# Altium PCB 18 4  第一版.PcbDoc (part 3 of 3)
Units mm, origin at the board's own origin, x right, y up, seen from the top; angles counter-clockwise.
Board outline 322.75 x 95.07 mm, 2 copper layers (Top Layer, Bottom Layer); 287 components, 198 nets, 1010 pads, 292 vias.
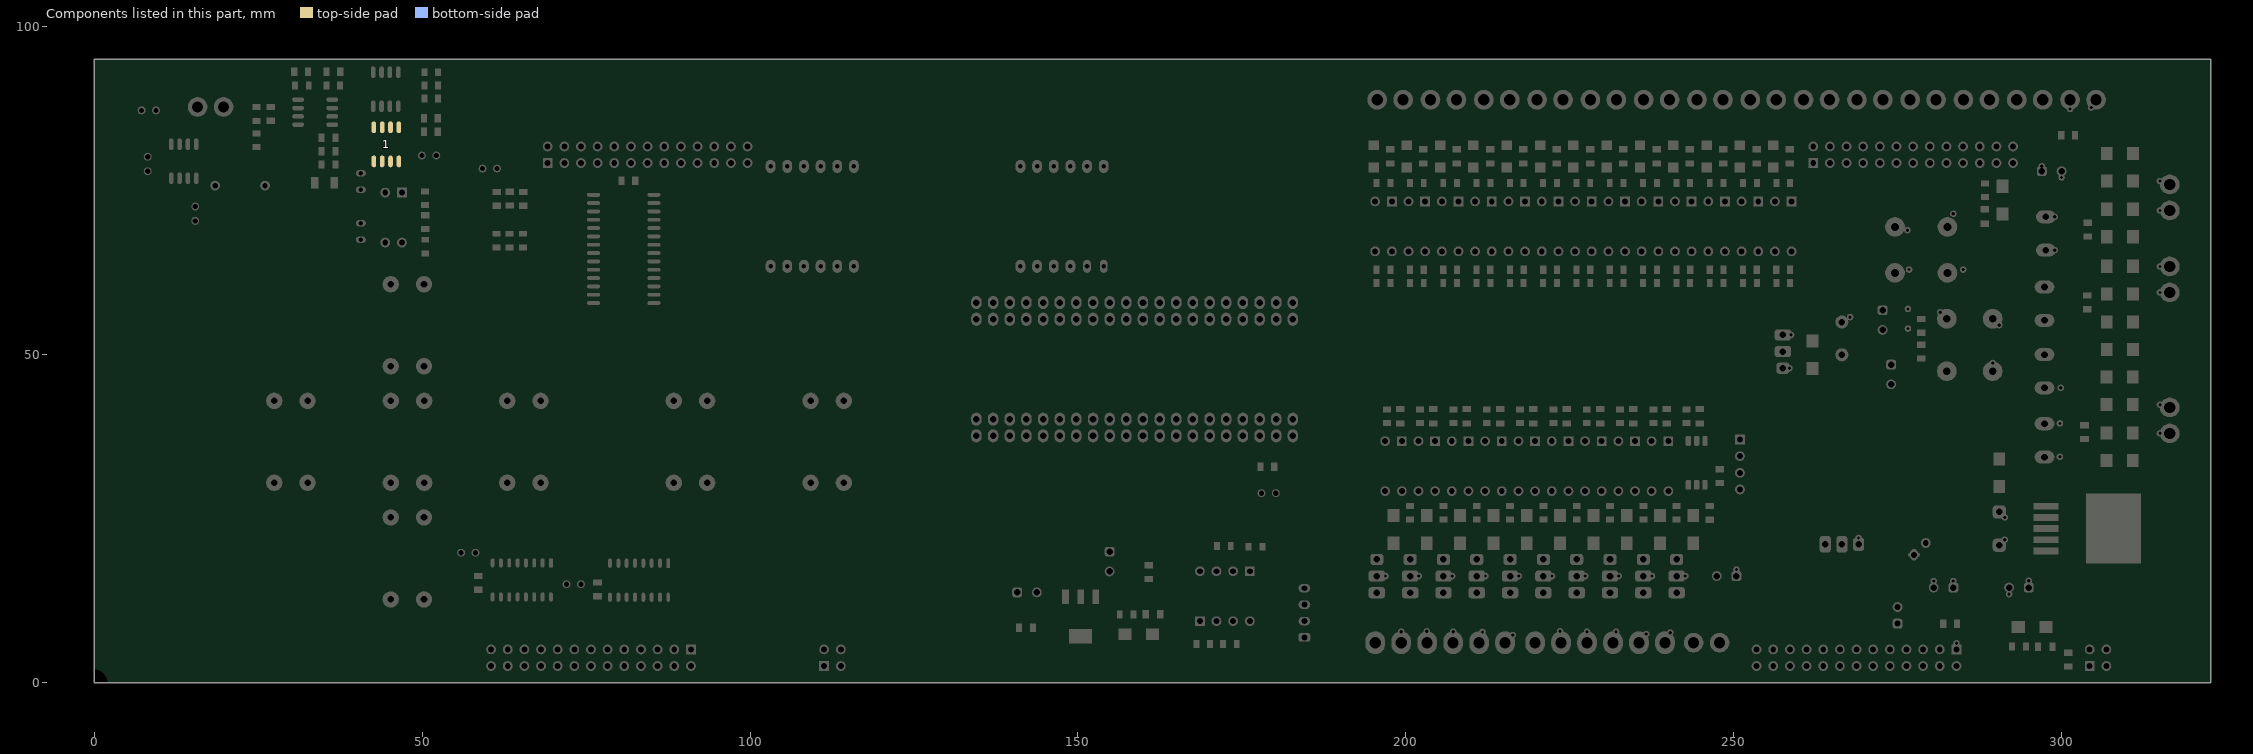
[diagram p3: the components of this part, seen from the top]

## Via types
v1: diameter 1, hole 0.5, Top Layer to Bottom Layer, 155 vias
v2: diameter 3.5, hole 3, Top Layer to Bottom Layer, 43 vias
v3: diameter 1.2, hole 0.6, Top Layer to Bottom Layer, 28 vias
v4: diameter 1.6, hole 1.6, Top Layer to Bottom Layer, 14 vias
v5: diameter 6, hole 3.5, Top Layer to Bottom Layer, 11 vias
v6: diameter 1.25, hole 0.7, Top Layer to Bottom Layer, 11 vias
v7: diameter 1.27, hole 0.711, Top Layer to Bottom Layer, 11 vias
v8: diameter 3.05, hole 3.05, Top Layer to Bottom Layer, 6 vias
v9: diameter 1.2, hole 0.7, Top Layer to Bottom Layer, 4 vias
v10: diameter 1, hole 0.7, Top Layer to Bottom Layer, 4 vias
v11: diameter 1.5, hole 1, Top Layer to Bottom Layer, 2 vias
v12: diameter 1.2, hole 0.8, Top Layer to Bottom Layer, 2 vias
v13: diameter 3, hole 3, Top Layer to Bottom Layer, 1 vias

## Nets (pads, with @x,y where several pads share a name; then routed paths per layer and width w, separated by ;. In a path a pad name is that pad's centre, name@x,y a point inside that pad or via, vN(x,y) a via of type N, cw(c..) or ccw(c..) an arc to the next point about the centre after c; other vN are vias at no path point) (continued)
copper on no net: | length 4353.7
  Top Layer w0.3: 199.136,41.742 205.944,48.55 251.685,48.55 259.792,40.443 259.792,13.89 263.082,10.6 270.832,10.6 276.352,5.08 ; 204.216,41.742 210.324,47.85 251.395,47.85 259.092,40.153 259.092,13.6 262.792,9.9 268.992,9.9 273.812,5.08 ; 209.296,41.742 214.704,47.15 251.105,47.15 258.392,39.863 258.392,13.31 262.502,9.2 267.152,9.2 271.272,5.08 ; 214.376,41.742 219.084,46.45 250.815,46.45 257.692,39.573 257.692,13.02 262.212,8.5 265.312,8.5 268.732,5.08 ; 219.456,41.742 223.464,45.75 250.525,45.75 256.992,39.283 256.992,12.73 261.922,7.8 263.472,7.8 266.192,5.08 ; 224.536,41.742 227.844,45.05 250.235,45.05 256.292,38.993 256.292,12.44 263.652,5.08 ; 229.616,41.742 232.224,44.35 249.945,44.35 255.592,38.703 255.592,10.6 261.112,5.08 ; 234.696,41.742 236.604,43.65 249.655,43.65 254.892,38.413 254.892,8.76 258.572,5.08 ; 239.776,41.742 240.984,42.95 249.365,42.95 254.192,38.123 254.192,6.92 256.032,5.08 ; 244.856,41.742 249.583,41.742 253.492,37.833 253.492,5.08 ; 258.826,65.786 262.128,69.088 262.128,79.248
  Top Layer w0.5: 195.072,81.964 195.072,88.9 195.632,88.9 ; 200.152,81.964 200.152,85.292 203.76,88.9 ; 205.232,81.964 205.232,82.244 211.888,88.9 ; 210.312,81.964 213.873,85.525 216.641,85.525 220.016,88.9 ; 215.392,81.964 218.978,85.55 224.975,85.55 228.144,88.719 228.144,88.9 ; 225.552,81.964 229.638,86.05 241.55,86.05 244.4,88.9 ; 235.712,81.964 235.712,83.012 237.45,84.75 241.9,84.75 243.45,86.3 258.056,86.3 260.656,88.9 ; 240.792,81.964 244.125,85.297 265.181,85.297 268.784,88.9 ; 256.032,81.964 258.093,84.025 267.1,84.025 268.75,85.675 289.943,85.675 293.168,88.9
  Top Layer w0.6: 196.85,36.83 196.85,39.336 197.104,39.59 ; 197.612,79.162 197.612,76.2 197.612,73.66 197.866,73.406 ; 197.646,60.96 197.646,62.992 197.646,65.566 197.866,65.786 ; 199.136,39.538 199.39,39.284 199.39,36.83 ; 199.39,29.21 199.39,28.228 200.66,26.958 ; 201.93,36.83 201.93,39.336 202.184,39.59 ; 202.692,79.162 202.692,76.2 202.692,73.66 202.946,73.406 ; 202.726,60.96 202.726,62.992 202.726,65.566 202.946,65.786 ; 204.216,39.538 204.47,39.284 204.47,36.83 ; 204.47,29.21 204.47,28.228 205.74,26.958 ; 207.01,36.83 207.01,39.336 207.264,39.59 ; 207.772,79.162 207.772,76.2 207.772,73.66 208.026,73.406 ; 207.806,60.96 207.806,62.992 207.806,65.566 208.026,65.786 ; 209.296,39.538 209.55,39.284 209.55,36.83 ; 209.55,29.21 209.55,28.228 210.82,26.958 ; 212.09,36.83 212.09,39.336 212.344,39.59 ; 212.852,79.162 212.852,76.2 212.852,73.66 213.106,73.406 ; 212.886,60.96 212.886,62.992 212.886,65.566 213.106,65.786 ; 214.376,39.538 214.63,39.284 214.63,36.83 ; 214.63,29.21 214.63,28.228 215.9,26.958 ; 217.17,36.83 217.17,39.336 217.424,39.59 ; 217.932,79.162 217.932,76.2 217.932,73.66 218.186,73.406 ; 217.966,60.96 217.966,62.992 217.966,65.566 218.186,65.786 ; 219.456,39.538 219.71,39.284 219.71,36.83 ; 219.71,29.21 219.71,28.228 220.98,26.958 ; 222.25,36.83 222.25,39.336 222.504,39.59 ; 223.012,79.162 223.012,76.2 223.012,73.66 223.266,73.406 ; 223.046,60.96 223.046,62.992 223.046,65.566 223.266,65.786 ; 224.536,39.538 224.79,39.284 224.79,36.83 ; 224.79,29.21 224.79,28.228 226.06,26.958 ; 227.33,36.83 227.33,39.336 227.584,39.59 ; 228.092,79.162 228.092,76.2 228.092,73.66 228.346,73.406 ; 228.126,60.96 228.126,62.992 228.126,65.566 228.346,65.786 ; 229.616,39.538 229.87,39.284 229.87,36.83 ; 229.87,29.21 229.87,28.228 231.14,26.958 ; 232.41,36.83 232.41,39.336 232.664,39.59 ; 233.172,79.162 233.172,76.2 233.172,73.66 233.426,73.406 ; 233.206,60.96 233.206,62.992 233.206,65.566 233.426,65.786 ; 234.696,39.538 234.95,39.284 234.95,36.83 ; 234.95,29.21 234.95,28.228 236.22,26.958 ; 237.49,36.83 237.49,39.336 237.744,39.59 ; 238.252,79.162 238.252,76.2 238.252,73.66 238.506,73.406 ; 238.286,60.96 238.286,62.992 238.286,65.566 238.506,65.786 ; 239.776,39.538 240.03,39.284 240.03,36.83 ; 240.03,29.21 240.03,28.228 241.3,26.958 ; 242.824,39.59 243.078,39.336 243.078,36.878 ; 243.332,79.162 243.332,76.2 243.332,73.66 243.586,73.406 ; 243.366,60.96 243.366,62.992 243.366,65.566 243.586,65.786 ; 244.856,39.538 245.618,38.776 245.618,36.878 ; 245.618,30.178 245.886,30.446 249.97,30.446 250.952,29.464 ; 246.38,26.958 245.988,27.35 243.825,27.35 243.078,28.097 243.078,30.931 244.693,32.546 250.41,32.546 250.952,32.004 ; 248.412,79.162 248.412,76.2 248.412,73.66 248.666,73.406 ; 248.446,60.96 248.446,62.992 248.446,65.566 248.666,65.786 ; 253.492,79.162 253.492,76.2 253.492,73.66 253.746,73.406 ; 253.526,60.96 253.526,62.992 253.526,65.566 253.746,65.786 ; 258.572,79.162 258.572,76.2 258.572,73.66 258.826,73.406 ; 258.606,60.96 258.606,62.992 258.606,65.566 258.826,65.786 ; 294.55,5.5 296.398,5.5
  Top Layer w0.8: 195.072,78.564 195.326,78.31 195.326,76.2 195.326,73.406 ; 195.546,60.96 195.546,60.256 196.977,58.825 ; v1(195.81,41.69) 197.104,41.69 ; 197.612,81.366 v1(197.612,82.417) ; 199.195,58.825 200.626,60.256 200.626,60.96 ; 200.152,78.564 200.406,78.31 200.406,76.2 200.406,73.406 ; v1(200.89,41.69) 202.184,41.69 ; 202.692,81.366 v1(202.692,82.417) ; 204.275,58.825 205.706,60.256 205.706,60.96 ; 205.232,78.564 205.486,78.31 205.486,76.2 205.486,73.406 ; v1(205.97,41.69) 207.264,41.69 ; 207.772,81.366 v1(207.772,82.417) ; 209.355,58.825 210.786,60.256 210.786,60.96 ; 210.312,78.564 210.566,78.31 210.566,76.2 210.566,73.406 ; v1(211.05,41.69) 212.344,41.69 ; 212.852,81.366 v1(212.852,82.417) ; 214.435,58.825 215.866,60.256 215.866,60.96 ; 215.392,78.564 215.646,78.31 215.646,76.2 215.646,73.406 ; v1(216.13,41.69) 217.424,41.69 ; 217.932,81.366 v1(217.932,82.417) ; 219.515,58.825 220.946,60.256 220.946,60.96 ; 220.472,78.564 220.726,78.31 220.726,76.2 220.726,73.406 ; v1(221.21,41.69) 222.504,41.69 ; 223.012,81.366 v1(223.012,82.417) ; 224.595,58.825 226.026,60.256 226.026,60.96 ; 225.552,78.564 225.806,78.31 225.806,76.2 225.806,73.406 ; v1(226.29,41.69) 227.584,41.69 ; 228.092,81.366 v1(228.092,82.417) ; 229.675,58.825 231.106,60.256 231.106,60.96 ; 230.632,78.564 230.886,78.31 230.886,76.2 230.886,73.406 ; v1(231.37,41.69) 232.664,41.69 ; 233.172,81.366 v1(233.172,82.417) ; 234.755,58.825 236.186,60.256 236.186,60.96 ; 235.712,78.564 235.966,78.31 235.966,76.2 235.966,73.406 ; v1(236.45,41.69) 237.744,41.69 ; 238.252,81.366 v1(238.252,82.417) ; 239.835,58.825 241.266,60.256 241.266,60.96 ; 240.792,78.564 241.046,78.31 241.046,76.2 241.046,73.406 ; v1(241.53,41.69) 242.824,41.69 ; 243.332,81.366 v1(243.332,82.417) ; v1(244.348,28.748) 244.348,30.178 ; 244.915,58.825 246.346,60.256 246.346,60.96 ; 245.872,78.564 246.126,78.31 246.126,76.2 246.126,73.406 ; 248.412,81.366 v1(248.412,82.417) ; 249.995,58.825 251.426,60.256 251.426,60.96 ; 250.952,78.564 251.206,78.31 251.206,76.2 251.206,73.406 ; 253.492,81.366 v1(253.492,82.417) ; 255.075,58.825 256.506,60.256 256.506,60.96 ; 256.032,78.564 256.286,78.31 256.286,76.2 256.286,73.406 ; 258.572,81.366 v1(258.572,82.417) ; 288.3,72.202 288.3,74.05
  Top Layer w1: 196.977,58.825 199.195,58.825 204.275,58.825 209.355,58.825 214.435,58.825 219.515,58.825 224.595,58.825 229.675,58.825 234.755,58.825 239.835,58.825 244.915,58.825 249.995,58.825 255.075,58.825 ; 230.632,81.964 v1(230.632,84.047) ; 245.872,81.964 v1(245.872,84.047) ; 250.952,81.964 v1(250.952,84.047) ; 272.275,48.5 272.3,48.475 276.15,48.475 276.875,49.2 276.875,49.45 ; 273.9,57 276.575,57 277.2,57 278.6,55.6 278.6,55.45 279.8,55.45 ; 274,48.5 274.95,49.45 278.6,49.45 278.6,47 ; 282.5,47.5 281.825,48.175 ; 282.5,48.7 282.5,49.45 ; 283.25,48.7 282.5,49.45 ; 284.5,45.9 284.6,45.8 284.6,45 282.1,45 281.825,45.275 281.825,48.175 ; 290.5,20.96 291.34,21.8 299,21.8 ; 290.5,29.9 290.5,26.04 291.34,25.2 299,25.2 ; 296.6,55.5 296.6,56 297,56.4 ; 296.8,39.54 297.09,39.25 303.5,39.25 303.5,45.2 304.9,46.6 306.85,46.6 ; 297.4,60.34 298.69,59.05 299.99,59.05 ; 297.8,56.4 297.8,55.66 ; 299,20.1 303.1,20.1 ; 299,23.5 307.9,23.5 ; 299.75,34.46 302.44,37.15 303.5,37.15 303.5,36.535 ; 299.95,84.325 299.95,85.6 301.296,86.946 301.296,88.9 ; 300,71.04 300.14,70.9 301.6,70.9 302.35,70.15 304,70.15 304,72.5 ; 300.635,65.96 302.575,67.9 306.6,67.9 ; 302.8,30.5 307.9,25.4 307.9,23.5 ; 303,74.1 303,73.266 303.766,72.5 304,72.5 ; 303.3,73.825 304,73.125 304,72.5 ; 303.375,20.1 307.15,20.1 ; 305.9,19.6 309.3,23 ; 306.9,63.5 306.6,63.8 ; 309.3,23.5 307.9,23.5 ; 277.6,53.35 277.15,53.8 272.7,53.8 273.15,53.35 277.6,53.35 ; 277.6,53.35 278.6,53.35 ; 278.6,53.35 278.6,51.55 279.3,51.55 ; 278.6,53.35 279.411,52.539 ; 279.3,51.55 279.3,52.427 279.411,52.539 ; 279.3,51.55 280.35,51.55 280.375,51.575 ; 279.411,52.539 280.375,51.575 ; 279.8,55.45 279.8,55.8 280.6,56.6 ; 279.8,55.45 280.7,55.45 ; 280.375,51.575 281.825,50.125 ; 280.6,56.6 281.4,56.6 281.489,56.511 ; 280.6,56.6 280.689,56.511 ; 280.689,56.511 281.489,56.511 ; 280.689,56.511 280.7,56.5 280.7,55.45 ; 280.7,55.45 281,55.45 ; 281,55.45 281.55,56 282,56 ; 281,55.45 282.45,55.45 282.5,55.5 282,56 ; 281.489,56.511 282,56 ; 281.825,48.175 281.825,50.125 ; 281.825,50.125 282.5,49.45 ; 297,56.4 297.55,56.95 299.09,56.95 ; 297,56.4 297.4,56 297.4,55.26 297.8,55.66 ; 297.8,55.66 299.09,56.95 ; 299.09,56.95 303.9,56.95 303.9,51.6 ; 299.86,60.54 301.35,59.05 ; 299.86,60.54 298.5,60.54 299.99,59.05 ; 299.86,60.54 300.81,60.54 302.3,59.05 ; 299.99,59.05 301.35,59.05 ; 301.35,59.05 302.3,59.05 ; 302.3,59.05 303.9,59.05 303.9,61.7 ; 303.5,36.535 303.5,34.1 303.9,33.7 304.9,33.7 ; 303.5,36.535 304.318,35.718 ; 303.9,51.2 304.3,50.8 304.7,50.8 ; 303.9,51.2 303.9,50.6 304.2,50.3 306.4,50.3 306.9,50.8 304.7,50.8 ; 303.9,51.2 303.9,51.6 ; 303.9,51.6 304.7,50.8 ; 303.9,61.7 305.3,63.1 ; 303.9,61.7 303.9,63.1 ; 303.9,63.1 304.6,63.8 306.6,63.8 ; 303.9,63.1 305.3,63.1 ; 304.318,34.518 304.318,35.718 ; 304.318,34.518 304.2,34.4 304.9,33.7 ; 304.318,34.518 305.135,33.7 ; 304.318,35.718 306.135,33.9 306.85,33.9 306.65,33.7 305.135,33.7 ; 304.9,33.7 305.135,33.7 ; 305.3,63.1 305.9,63.1 306.6,63.8
  Top Layer w1.2: 195.58,16.256 196.901,16.256 ; 197.825,24.975 198.613,24.975 ; 198.12,21.268 198.12,17.475 ; 199.292,6.096 199.292,8.258 198.12,9.43 198.12,15.037 ; 203.2,6.148 203.2,7.825 203.2,17.475 ; 203.2,15.037 201.981,16.256 203.2,17.475 ; 203.2,21.268 203.2,17.475 ; 207.212,6.096 207.212,8.337 208.28,9.405 208.28,17.475 ; 208.28,15.037 207.061,16.256 208.28,17.475 ; 208.28,21.268 208.28,17.475 ; 210.82,16.256 212.141,16.256 ; 211.172,6.096 211.172,7.222 213.36,9.41 213.36,21.268 ; 213.36,15.037 212.141,16.256 ; 213.36,17.475 212.141,16.256 ; 215.132,6.096 218.44,9.404 218.44,21.268 ; 215.9,16.256 217.221,16.256 ; 218.44,15.037 217.221,16.256 ; 218.44,17.475 217.221,16.256 ; 220.472,81.964 v1(220.472,84.072) ; 220.98,16.256 222.301,16.256 ; 223.52,6.096 223.52,21.268 ; 223.52,15.037 222.301,16.256 ; 223.52,17.475 222.301,16.256 ; 226.06,16.256 227.381,16.256 ; 227.636,6.096 227.636,8.461 228.6,9.425 228.6,21.268 ; 228.6,15.037 227.381,16.256 ; 228.6,17.475 227.381,16.256 ; 231.14,16.256 232.461,16.256 ; 231.596,6.096 231.596,7.321 233.68,9.405 233.68,21.268 ; 233.68,15.037 232.461,16.256 ; 233.68,17.475 232.461,16.256 ; 235.556,6.096 235.556,6.306 238.76,9.51 238.76,21.268 ; 236.22,16.256 237.541,16.256 ; 238.76,15.037 237.541,16.256 ; 238.76,17.475 237.541,16.256 ; 239.516,6.096 239.516,6.816 243.84,11.14 243.84,21.268 ; 241.3,16.256 242.621,16.256 ; 243.84,15.037 242.621,16.256 ; 243.84,17.475 242.621,16.256 ; 247.42,6.528 247.852,6.096 ; 196.901,16.256 198.12,17.475 ; 196.901,16.256 198.12,15.037 ; 198.12,15.037 198.12,17.475
  Top Layer w1.3: 262,47.9 262,47.1 ; 262.2,47.86 262.2,46.9 ; 269.04,21.1 269.04,24.7 ; 278.6,47 278.6,43.7 277.6,42.7 266.4,42.7 ; 306.85,38.1 v1(306.85,39.75) ; v1(306.85,40.75) 306.85,42.4 ; 306.9,55 v1(306.9,56.65) v1(306.9,57.65) 306.9,59.3 ; 306.9,72.2 v1(306.9,73.85) ; v1(306.9,74.85) 306.9,76.5 ; 310.85,38.1 310.85,42.4 ; 310.9,55 310.9,59.3 ; 310.9,72.2 310.9,76.5 ; 315.98,76.5 316.5,75.98 ; 316.08,42.4 316.5,41.98 ; 262,32.6 262,47.1 ; 262,32.6 262.95,31.65 ; 262,32.6 262,31.74 269.04,24.7 ; 262,47.1 262.2,46.9 ; 262.2,45.3 263.7,43.8 265.3,43.8 ; 262.2,45.3 262.2,44.6 262.95,43.85 ; 262.2,45.3 262.2,46.9 ; 262.2,46.9 265.3,43.8 ; 262.95,31.65 262.95,43.85 ; 262.95,31.65 269.04,25.56 269.04,24.7 ; 262.95,43.85 264.1,42.7 266.4,42.7 ; 265.3,43.8 266.4,42.7 ; 266.2,49.15 266.15,49.15 266.2,49.2 ; 266.2,49.15 266.45,49.15 266.9,48.7 268.3,48.7 ; 266.2,49.15 266.2,48.3 266.6,47.9 269.9,47.9 270.6,48.6 ; 266.2,49.15 266.2,49.2 ; 266.2,49.2 267,50 ; 266.2,49.2 266.2,49.7 266.5,50 267,50 ; 267,50 271.7,50 ; 267,50 268.3,48.7 ; 268.3,48.7 270.4,48.7 271.7,50 ; 268.3,48.7 268.4,48.6 270.6,48.6 ; 270.6,48.6 273.1,48.6 ; 271.7,50 273.1,48.6 ; 273.1,48.6 273.9,48.6 274,48.5 273.2,48.5 273.1,48.6
  Top Layer w1.5: v1(198.975,56.1) v1(198.975,57.1) 198.975,58.3 ; 253.492,2.54 253.492,5.08 ; 256.032,2.54 256.032,5.08 ; 257.5,47.86 262.2,47.86 ; 257.5,53.04 261.06,53.04 262,52.1 ; 258.572,2.54 258.572,5.08 ; 261.112,2.54 261.112,5.08 ; 262.128,79.248 262.128,81.788 ; 263.652,2.54 263.652,5.08 ; 264.668,79.248 264.668,81.788 ; 266.192,2.54 266.192,5.08 ; 266.5,21.1 266.5,17.6 268.075,16.025 280.5,16.025 ; 267,55 268.05,56.05 270.875,56.05 271.825,57 273.9,57 ; 267.208,79.248 267.208,81.788 ; 268.732,2.54 268.732,5.08 ; 269.748,79.248 269.748,81.788 ; 271.272,2.54 271.272,5.08 ; 272.288,79.248 272.288,81.788 ; 273.812,2.54 273.812,5.08 ; 274.6,69.5 276,69.5 279.4,66.1 285.475,66.1 291.275,71.9 293.807,71.9 296.907,75 298.5,75 300,76.5 300,78 300,78.9 302.05,80.95 302.05,82.275 ; 274.828,79.248 274.828,81.788 ; 275.5,63 276.2,62.3 276.8,62.3 280.1,59 290.64,59 297.6,65.96 ; 276.352,2.54 276.352,5.08 ; 277.368,79.248 277.368,81.788 ; 277.5,19.5 277.5,19.025 280.5,16.025 ; 278.892,2.54 278.892,5.08 278.892,5.392 281.675,8.175 ; 279.908,79.248 279.908,81.788 ; 281.432,2.54 281.432,5.08 ; 281.925,10.25 281.925,11.025 280.5,12.45 280.5,14.5 280.5,15.5 280.5,16.025 ; 282.4,69.9 282.4,72.775 286.025,76.4 295.4,76.4 297,78 297,78.975 299.925,81.9 299.925,82.3 ; 282.448,79.248 282.448,81.788 ; 282.5,48.7 282.5,47.5 ; 283.25,48.7 284.25,47.7 ; 283.5,14.5 284.05,13.95 284.05,10.225 ; 283.5,46.3 282.5,47.3 ; 283.5,46.5 282.5,47.5 ; 283.5,63 289.05,63 297.09,71.04 297.6,71.04 ; 283.972,2.54 283.972,5.08 283.972,7.822 ; 284.5,47.6 284.5,45.9 282.5,45.9 282.4,45.8 282.4,47.2 282.5,47.3 ; 284.988,79.248 284.988,81.788 ; v1@286.85,34.1 290.5,34.1 ; 287.528,79.248 287.528,81.788 ; 290.068,79.248 290.068,81.788 ; 290.5,20.96 290.5,20.025 295,15.525 295,14.5 295,12.3 292.45,9.75 292.45,5.5 292.45,4.05 294,2.5 299.8,2.5 ; 292.608,79.248 292.608,81.788 ; 294.3,44 294.3,44.26 295,44.96 ; 297.4,44.96 296.86,44.96 ; 297.4,50.04 296.5,50.04 ; v1@297.6,11.7 v1(297.6,10.9) v1(297.6,9.9) 297.6,8.5 298.602,7.498 298.602,5.5 299.402,4.7 300,4.7 ; 297.625,55.025 300.9,51.75 300.9,45.975 299.885,44.96 298.5,44.96 ; 297.86,65.96 300.635,65.96 ; 298.5,71.04 300,71.04 300.515,71.04 ; 299.2,27.1 296.15,27.1 293.4,29.85 293.4,37.6 ; 299.75,34.46 297.06,34.46 296.33,33.73 296.33,32.17 298,30.5 302.8,30.5 304.55,30.5 310.125,24.925 310.125,23.9 ; 300.515,39.54 299.75,39.54 296.8,39.54 295.34,39.54 ; 301.8,4.8 302.08,5.08 304.292,5.08 306.832,5.08 ; 302.05,84.725 302.05,85.25 304.511,87.711 305.256,88.456 305.256,88.9 ; 302.16,2.54 304.292,2.54 306.832,2.54 ; 303.3,73.825 303.3,78.875 305.025,80.6 306.8,80.6 306.9,80.7 ; 305.925,80.7 306.9,80.7 ; 306.85,33.9 310.85,33.9 ; 306.85,46.6 310.85,46.6 ; 306.9,50.8 310.9,50.8 ; 306.9,63.5 310.9,63.5 ; 306.9,68 310.9,68 ; 310.9,80.7 306.9,80.7 ; 282.5,47.3 282.5,47.5 ; 289.5,47.5 292.04,44.96 ; 289.5,47.5 288.6,46.6 288.6,45.3 290.4,43.5 295.4,43.5 296.86,44.96 ; 289.5,47.5 289.5,45.6 290.14,44.96 292.04,44.96 ; 292.04,44.96 295,44.96 ; 293.4,37.6 295.34,39.54 ; 293.4,37.6 293.4,39.1 293.84,39.54 295.34,39.54 ; 295,44.96 296.86,44.96 ; 296.5,50.04 291.04,55.5 289.5,55.5 290.48,54.52 294.96,50.04 296.5,50.04
  Top Layer w2: 198.12,25.468 198.613,24.975 198.73,24.858 200.66,24.858 205.74,24.858 210.82,24.858 215.9,24.858 220.98,24.858 226.06,24.858 231.14,24.858 236.22,24.858 241.3,24.858 246.38,24.858 250.42,20.818 250.42,16.256 250.42,8.664 247.852,6.096 ; 243.892,6.096 243.892,7.217 247.42,10.745 247.42,16.256 ; 310.85,42.4 316.08,42.4 ; 310.9,76.6 311,76.5 315.98,76.5 ; 311.02,59.42 311.02,59.52 316.5,59.52
  Top Layer w3: v2@302.014,92.842 cw(c302.014,89.6) 305.256,89.6 ; 305.256,88.9 v2@305.256,93.045
  Bottom Layer w0.3: 197.866,65.786 204.627,59.025 237.095,59.025 239.895,56.225 262.925,56.225 269.175,62.475 269.175,68.215 273.785,72.825 275.335,72.825 276.035,73.525 286.885,73.525 292.608,79.248 ; 202.946,65.786 209.007,59.725 237.385,59.725 240.185,56.925 262.635,56.925 268.475,62.765 268.475,68.505 273.495,73.525 275.045,73.525 275.745,74.225 285.045,74.225 290.068,79.248 ; 208.026,65.786 213.387,60.425 237.675,60.425 240.475,57.625 262.345,57.625 267.775,63.055 267.775,68.795 273.205,74.225 274.755,74.225 275.455,74.925 283.205,74.925 287.528,79.248 ; 213.106,65.786 217.767,61.125 237.965,61.125 240.765,58.325 262.055,58.325 267.075,63.345 267.075,69.085 272.915,74.925 274.465,74.925 275.165,75.625 276.715,75.625 281.365,75.625 284.988,79.248 ; 218.186,65.786 222.147,61.825 238.255,61.825 241.055,59.025 261.765,59.025 266.375,63.635 266.375,69.375 272.625,75.625 274.175,75.625 274.875,76.325 279.525,76.325 282.448,79.248 ; 223.266,65.786 226.527,62.525 238.545,62.525 241.345,59.725 261.475,59.725 265.675,63.925 265.675,69.665 272.335,76.325 273.885,76.325 274.585,77.025 277.685,77.025 279.908,79.248 ; 228.346,65.786 230.907,63.225 238.835,63.225 241.635,60.425 261.185,60.425 264.975,64.215 264.975,69.955 272.045,77.025 273.595,77.025 274.295,77.725 275.845,77.725 277.368,79.248 ; 233.426,65.786 235.287,63.925 239.125,63.925 241.925,61.125 260.885,61.125 264.275,64.515 264.275,70.245 271.755,77.725 273.305,77.725 274.828,79.248 ; 238.506,65.786 242.467,61.825 260.595,61.825 263.575,64.805 263.575,70.535 272.288,79.248 ; 243.586,65.786 246.847,62.525 260.305,62.525 262.875,65.095 262.875,72.375 269.748,79.248 ; 248.666,65.786 251.227,63.225 260.015,63.225 262.175,65.385 262.175,74.215 267.208,79.248 ; 253.746,65.786 255.607,63.925 259.725,63.925 261.475,65.675 261.475,76.055 264.668,79.248
  Bottom Layer w0.5: v1(220.472,84.072) 222.225,85.825 233.275,85.825 236.272,88.822 236.272,88.9 ; v1(230.632,84.047) 238.772,84.047 240.575,85.85 249.478,85.85 252.528,88.9 ; v1(245.872,84.047) 245.872,84.072 249.147,84.072 250.85,85.775 251.025,85.95 273.962,85.95 276.912,88.9 ; v1(250.952,84.047) 250.952,84.072 251.93,85.05 281.19,85.05 285.04,88.9
  Bottom Layer w0.6: 195.58,18.796 196.85,20.066 196.85,29.21 ; 200.66,18.796 201.93,20.066 201.93,29.21 ; 205.74,18.796 207.01,20.066 207.01,29.21 ; 210.82,18.796 212.09,20.066 212.09,29.21 ; 215.9,18.796 217.17,20.066 217.17,29.21 ; 220.98,18.796 222.25,20.066 222.25,29.21 ; 226.06,18.796 227.33,20.066 227.33,29.21 ; 231.14,18.796 232.41,20.066 232.41,29.21 ; 236.22,18.796 237.49,20.066 237.49,29.21 ; 241.3,18.796 244.348,21.844 v1(244.348,28.748) ; 247.42,16.256 247.42,29.92 249.504,32.004 250.952,32.004
  Bottom Layer w0.8: 250.952,34.544 252.006,34.544 253.55,33 253.55,8.7 251.1,6.25 251.1,1.85 252.023,0.927 282.359,0.927 283.972,2.54
  Bottom Layer w1: v1(197.612,82.417) v1(202.692,82.417) v1(207.772,82.417) v1(212.852,82.417) v1(217.932,82.417) v1(223.012,82.417) v1(228.092,82.417) v1(233.172,82.417) v1(238.252,82.417) v1(243.332,82.417) v1(248.412,82.417) v1(253.492,82.417) v1(258.572,82.417) 260.055,83.9 298.225,83.9 301.296,86.971 301.296,88.9
  Bottom Layer w1.3: 257.5,47.96 258.5,47.96 259.1,47.96 ; v1@306.9,56.55 v1(306.9,56.65) v1@306.9,57.55 ; 306.9,72.85 306.9,73.1 ; 315,72.02 316.5,72.02
  Bottom Layer w1.5: v1(195.81,41.69) v1(200.89,41.69) ; v1@196.3,67.575 195.326,66.601 195.326,47.254 v1(200.89,41.69) ; v1(198.975,57.1) v1(198.975,56.1) 198.975,47.25 202.2,44.025 249.8,44.025 258.875,34.95 258.875,15.875 263.21,11.54 277.235,11.54 281.432,7.343 281.432,5.08 281.432,2.54 ; 253.492,2.54 253.492,5.08 ; 256.032,2.54 256.032,5.08 ; 257.5,50.5 260.4,50.5 264.9,55 267,55 ; 257.5,53.04 254.84,53.04 252.625,50.825 252.625,45.775 261.9,36.5 261.9,26.1 264,24 264,21.4 ; 258.572,2.54 258.572,5.08 ; 261.112,2.54 261.112,5.08 ; 262.128,79.248 262.128,81.788 ; 263.652,2.54 263.652,5.08 ; 263.96,21.1 263.96,18.24 265.15,17.05 269.9,17.05 275.5,22.65 277.942,22.65 279.296,21.296 ; 264.668,79.248 264.668,81.788 ; 266.192,2.54 266.192,5.08 ; 266.5,21.1 266.5,26.2 264.9,27.8 264.9,43.3 267.1,45.5 270,45.5 ; 267.208,79.248 267.208,81.788 ; 268.732,2.54 268.732,5.08 ; 269.7,45.5 270,45.5 ; 269.748,79.248 269.748,81.788 ; 271.272,2.54 271.272,5.08 ; 272.288,79.248 272.288,81.788 ; 273.4,57 276.575,57 281,57 281.489,56.511 282.5,55.5 ; 273.812,2.54 273.812,5.08 ; 274.091,45.55 274.041,45.5 ; 274.828,79.248 274.828,81.788 ; 276.352,2.54 276.352,5.08 ; 277.368,79.248 277.368,81.788 ; 278.892,2.54 278.892,5.08 278.892,6.183 276.075,9 261.152,9 256.292,13.86 256.292,33.558 252.766,37.084 250.952,37.084 246.346,41.69 v1(241.53,41.69) v1(236.45,41.69) v1(231.37,41.69) v1(226.29,41.69) v1(221.21,41.69) v1(216.13,41.69) v1(211.05,41.69) v1(205.97,41.69) v1(200.89,41.69) ; 279.387,21.388 283.5,17.275 283.5,14.5 ; 279.908,79.248 279.908,81.788 ; 282.448,79.248 282.448,81.788 ; 283.972,2.54 283.972,5.08 ; 284.988,79.248 284.988,81.788 ; 287.528,79.248 287.528,81.788 ; 290.068,79.248 290.068,81.788 ; 292.608,79.248 292.608,81.788 ; 298.5,50.04 300.59,50.04 302.35,51.8 302.35,58.6 300.41,60.54 298.5,60.54 ; 270,45.5 270,50.8 273.2,54 276.575,54 277.25,54 282.5,48.75 282.5,47.5 282.5,46.1 281.9,45.5 274.041,45.5 ; 270,45.5 274,45.5 274.041,45.5
  Bottom Layer w2.5: 195.6,13.3 210.82,13.3 226.06,13.3 241.3,13.3 244.464,13.3 247.17,16.006
  Bottom Layer w3: v1(306.85,40.75) 309.58,38.02 315,38.02 316.5,38.02 ; 306.9,73.1 307.98,72.02 315,72.02 ; v1(306.9,73.85) v1(306.9,74.85) 306.9,75.5 ; 307.6,56.9 307.6,62.4 308.68,63.48 315,63.48 316.5,63.48
  other v1: 278.892,6.08 297.6,11.9 304.75,16.5 305.75,16.5 306.75,16.5 307.75,16.5 308.75,16.5 309.75,16.5 310.75,16.5 311.75,16.5 312.75,16.5 313.75,16.5 314.75,16.5 304.75,17.5 305.75,17.5 306.75,17.5 307.75,17.5 308.75,17.5 309.75,17.5 310.75,17.5 311.75,17.5 312.75,17.5 314.25,17.5 315.25,17.5 314.25,18.5 315.25,18.5 314.25,19.5 315.25,19.5 314.25,20.5 315.25,20.5 314.25,21.5 315.25,21.5 314.25,22.5 315.25,22.5 314.25,23.5 315.25,23.5 314.25,24.5 315.25,24.5 314.25,25.5 315.25,25.5 314.25,26.5 315.25,26.5 314.25,27.5 315.25,27.5 314.25,28.5 315.25,28.5 304.75,29.5 305.75,29.5 306.75,29.5 307.75,29.5 308.75,29.5 309.75,29.5 310.75,29.5 311.75,29.5 312.75,29.5 313.75,29.5 314.75,29.5 304.75,30.5 305.75,30.5 306.75,30.5 307.75,30.5 308.75,30.5 309.75,30.5 310.75,30.5 311.75,30.5 312.75,30.5 313.75,30.5 314.75,30.5 286.6,34.1 287.6,34.1 288.6,34.1 195.75,67.25 196.5,67.75 195.072,87.525 227.147,87.722 243.292,87.792 218.922,87.806 259.553,87.797 267.683,87.799 202.731,87.871 210.836,87.848 292.118,87.85
  other v2: 195.332,1.896 199.292,1.896 203.252,1.896 207.212,1.896 211.172,1.896 215.132,1.896 219.716,1.896 223.676,1.896 227.636,1.896 231.596,1.896 235.556,1.896 239.516,1.896 244.075,2 15.675,92.25 19.635,92.25 195.632,93.1 199.592,93.1 203.76,93.1 207.72,93.1 211.888,93.1 215.848,93.1 220.016,93.1 223.976,93.1 228.144,93.1 232.104,93.1 236.272,93.1 240.232,93.1 244.4,93.1 248.36,93.1 252.528,93.1 256.488,93.1 260.656,93.1 264.616,93.1 268.784,93.1 272.744,93.1 276.912,93.1 280.872,93.1 285.04,93.1 289,93.1 293.168,93.1 297.128,93.1 301.296,93.1 305.256,93.1
  other v4: 43.227,18.95 52.227,18.95 25.472,36.73 34.472,36.73 43.252,36.73 52.252,36.73 61.007,36.73 70.007,36.73 86.407,36.73 95.407,36.73 107.26,36.73 116.26,36.73 43.227,54.51 52.227,54.51
  other v5: 29.845,18.669 126.34,18.669 319.34,18.669 78.08,37.084 271.08,37.084 126.34,49.784 161.163,49.784 319.34,49.784 319.34,49.784 29.845,54.864 222.845,54.864
  other v8: 320.596,38.203 320.596,42.163 320.596,59.703 320.596,63.663 320.596,72.203 320.596,76.163
  other v13: 248.035,2

## Polygon pours and split planes (outlines as drawn)
no net on Top Layer "Bottom Layer-No Net" (solid, pour order 1006): 199.6,87.4 199.575,87.4 cw(c199.575,88.875) 198.1,88.875 ccw(c196.575,88.875) 196.575,90.4 195.6,90.4 195.54,90.4 cw(c195.54,92.94) 193,92.94 193,93.175 cw(c194.897,93.175) 194.897,95.072 196.25,95.072 296.06,95.072 cw(c296.06,92.532) 298.6,92.532 298.6,89.075 298.6,88.825 cw(c297.175,88.825) 297.175,87.4 297.125,87.4 cw(c297.125,88.9) 295.625,88.9 ccw(c294.125,88.9) 294.125,90.4 293.15,90.4 292.025,90.4 ccw(c292.025,88.875) 290.5,88.875 cw(c289.025,88.875) 289.025,87.4 289,87.4 288.975,87.4 cw(c288.975,88.875) 287.5,88.875 ccw(c285.975,88.875) 285.975,90.4 285.05,90.4 283.9,90.4 ccw(c283.9,88.875) 282.375,88.875 cw(c280.925,88.875) 280.925,87.425 280.875,87.425 280.825,87.425 cw(c280.825,88.875) 279.375,88.875 ccw(c277.85,88.875) 277.85,90.4 276.9,90.4 275.8,90.4 ccw(c275.8,88.85) 274.25,88.85 cw(c272.825,88.85) 272.825,87.425 272.775,87.425 272.675,87.425 cw(c272.675,88.85) 271.25,88.85 ccw(c269.7,88.85) 269.7,90.4 268.75,90.4 267.625,90.4 ccw(c267.625,88.875) 266.1,88.875 cw(c264.625,88.875) 264.625,87.4 264.6,87.4 cw(c264.6,88.875) 263.125,88.875 ccw(c261.575,88.875) 261.575,90.425 260.675,90.425 259.55,90.425 ccw(c259.55,88.875) 258,88.875 cw(c256.525,88.875) 256.525,87.4 256.5,87.4 256.475,87.4 cw(c256.475,88.875) 255,88.875 ccw(c253.475,88.875) 253.475,90.4 252.5,90.4 251.375,90.4 ccw(c251.375,88.9) 249.875,88.9 cw(c248.375,88.9) 248.375,87.4 248.35,87.4 cw(c248.35,88.875) 246.875,88.875 ccw(c245.35,88.875) 245.35,90.4 244.4,90.4 243.225,90.4 ccw(c243.225,88.9) 241.725,88.9 241.725,88.875 cw(c240.25,88.875) 240.25,87.4 240.225,87.4 cw(c240.225,88.9) 238.725,88.9 ccw(c237.225,88.9) 237.225,90.4 236.25,90.4 235.075,90.4 ccw(c235.075,88.925) 233.6,88.925 233.6,88.9 cw(c232.1,88.9) 232.1,87.4 cw(c232.1,88.875) 230.625,88.875 230.625,88.9 ccw(c229.125,88.9) 229.125,90.4 228.15,90.4 227,90.4 ccw(c227,88.875) 225.475,88.875 cw(c224.025,88.875) 224.025,87.425 223.95,87.425 cw(c223.95,88.9) 222.475,88.9 ccw(c220.95,88.9) 220.95,90.425 219.975,90.425 218.9,90.425 ccw(c218.9,88.875) 217.35,88.875 cw(c215.875,88.875) 215.875,87.4 215.8,87.4 cw(c215.8,88.85) 214.35,88.85 214.35,88.925 ccw(c212.85,88.925) 212.85,90.425 211.875,90.425 210.875,90.425 ccw(c210.875,88.775) 209.225,88.775 cw(c207.875,88.775) 207.875,87.425 207.85,87.425 207.675,87.425 cw(c207.675,88.875) 206.225,88.875 ccw(c204.7,88.875) 204.7,90.4 203.725,90.4 202.625,90.4 ccw(c202.625,88.875) 201.1,88.875 cw(c199.625,88.875) 199.625,87.4 199.6,87.4
no net on Top Layer "Bottom Layer-No Net" (solid, pour order 1005): 298.612,88.825 cw(c301.137,88.825) 301.137,91.35 301.3,91.35 305.225,91.35 ccw(c305.225,93.125) 307,93.125 ccw(c305.053,93.125) 305.053,95.072 297.625,95.072 ccw(c297.625,94.247) 296.8,94.247 296.8,88.775 cw(c296.85,88.775) 296.85,88.825 298.612,88.825
no net on Top Layer "Bottom Layer-No Net" (solid, pour order 1004): 196.825,6.225 196.825,6.1 ccw(c199.275,6.1) 199.275,3.65 215.95,3.65 ccw(c215.95,5.925) 218.225,5.925 218.225,6.35 cw(c219.7,6.35) 219.7,7.825 cw(c219.7,6.325) 221.2,6.325 221.2,6.125 221.2,6.1 ccw(c223.65,6.1) 223.65,3.65 239.975,3.65 ccw(c239.975,6.075) 242.4,6.075 242.4,6.125 cw(c243.875,6.125) 243.875,7.6 cw(c243.875,6.075) 245.4,6.075 245.4,6.05 245.4,1.525 cw(c244.125,1.525) 244.125,0.25 195.175,0.25 cw(c195.175,1.825) 193.6,1.825 193.6,6.1 cw(c195.35,6.1) 195.35,7.85 cw(c195.35,6.375) 196.825,6.375 196.825,6.225
no net on Top Layer "Bottom Layer-No Net" (solid, pour order 1003): 256.975,63.5 256.975,62.35 256.4,62.35 256.025,62.35 cw(c256.025,62.825) 255.55,62.825 255.55,65.775 ccw(c254.325,65.775) 254.325,67 253.75,67 253.2,67 ccw(c253.2,65.75) 251.95,65.75 251.95,62.425 cw(c251.875,62.425) 251.875,62.35 250.95,62.35 cw(c250.95,62.85) 250.45,62.85 250.45,65.775 ccw(c249.225,65.775) 249.225,67 248.65,67 248.125,67 ccw(c248.125,65.75) 246.875,65.75 246.875,62.4 cw(c246.825,62.4) 246.825,62.35 245.875,62.35 cw(c245.875,62.85) 245.375,62.85 245.375,65.775 ccw(c244.15,65.775) 244.15,67 243.625,67 243.025,67 ccw(c243.025,65.775) 241.8,65.775 241.8,62.425 cw(c241.725,62.425) 241.725,62.35 240.8,62.35 cw(c240.8,62.85) 240.3,62.85 240.3,65.8 ccw(c239.075,65.8) 239.075,67.025 238.55,67.025 237.975,67.025 ccw(c237.975,65.775) 236.725,65.775 236.725,62.425 cw(c236.65,62.425) 236.65,62.35 235.725,62.35 cw(c235.725,62.875) 235.2,62.875 235.2,65.8 ccw(c233.975,65.8) 233.975,67.025 233.45,67.025 232.875,67.025 ccw(c232.875,65.775) 231.625,65.775 231.625,62.425 cw(c231.55,62.425) 231.55,62.35 230.625,62.35 cw(c230.625,62.85) 230.125,62.85 230.125,65.775 ccw(c228.875,65.775) 228.875,67.025 228.375,67.025 227.8,67.025 ccw(c227.8,65.775) 226.55,65.775 226.55,62.4 cw(c226.5,62.4) 226.5,62.35 225.55,62.35 cw(c225.55,62.825) 225.075,62.825 225.075,65.775 ccw(c223.825,65.775) 223.825,67.025 223.25,67.025 222.725,67.025 ccw(c222.725,65.775) 221.475,65.775 221.475,62.4 cw(c221.425,62.4) 221.425,62.35 220.475,62.35 cw(c220.475,62.85) 219.975,62.85 219.975,65.8 ccw(c218.75,65.8) 218.75,67.025 218.2,67.025 217.65,67.025 ccw(c217.65,65.775) 216.4,65.775 216.4,62.425 cw(c216.325,62.425) 216.325,62.35 215.4,62.35 cw(c215.4,62.85) 214.9,62.85 214.9,65.8 ccw(c213.675,65.8) 213.675,67.025 213.125,67.025 212.55,67.025 ccw(c212.55,65.775) 211.3,65.775 211.3,62.4 cw(c211.25,62.4) 211.25,62.35 210.325,62.35 cw(c210.325,62.85) 209.825,62.85 209.825,65.8 ccw(c208.6,65.8) 208.6,67.025 208.025,67.025 207.475,67.025 ccw(c207.475,65.775) 206.225,65.775 206.225,62.425 cw(c206.15,62.425) 206.15,62.35 205.225,62.35 cw(c205.225,62.825) 204.75,62.825 204.75,65.75 ccw(c203.475,65.75) 203.475,67.025 202.975,67.025 202.4,67.025 ccw(c202.4,65.775) 201.15,65.775 201.15,62.4 cw(c201.1,62.4) 201.1,62.35 200.15,62.35 cw(c200.15,62.85) 199.65,62.85 199.65,65.75 ccw(c198.375,65.75) 198.375,67.025 197.875,67.025 197.35,67.025 ccw(c197.35,65.75) 196.075,65.75 196.075,62.45 cw(c195.975,62.45) 195.975,62.35 195.075,62.35 cw(c195.075,62.85) 194.575,62.85 194.575,65.775 194.575,65.86 cw(c197.115,65.86) 197.115,68.4 220.3,68.4 254.51,68.4 cw(c254.51,65.86) 257.05,65.86 257.05,65.825 257.05,62.45 cw(c256.95,62.45) 256.95,62.35 ccw(c256.95,62.375) 256.975,62.375 256.975,63.5
no net on Bottom Layer "Bottom Layer-No Net" (solid, pour order 1002): 300.925,32.05 320.21,32.05 cw(c320.21,29.51) 322.75,29.51 322.75,26.75 322.75,2.54 cw(c320.21,2.54) 320.21,0 315.3,0 312.265,0 cw(c312.265,2.54) 309.725,2.54 309.725,4.3 309.725,6.835 ccw(c307.185,6.835) 307.185,9.375 304.975,9.375 290.815,9.375 cw(c290.815,11.915) 288.275,11.915 288.275,14.525 288.275,20.535 ccw(c285.735,20.535) 285.735,23.075 284.975,23.075 cw(c284.975,25.25) 282.8,25.25 282.8,32.875 282.8,34.71 cw(c285.34,34.71) 285.34,37.25 289.525,37.25 291.56,37.25 cw(c291.56,34.71) 294.1,34.71 294.1,34.275 ccw(c296.2,34.275) 296.2,32.175 300.45,32.175
no net on Bottom Layer "Bottom Layer-No Net" (solid, pour order 1009): 199.6,87.4 199.575,87.4 cw(c199.575,88.875) 198.1,88.875 ccw(c196.575,88.875) 196.575,90.4 195.6,90.4 195.54,90.4 cw(c195.54,92.94) 193,92.94 193,93.175 cw(c194.897,93.175) 194.897,95.072 196.25,95.072 296.06,95.072 cw(c296.06,92.532) 298.6,92.532 298.6,89.075 298.6,88.825 cw(c297.175,88.825) 297.175,87.4 297.125,87.4 cw(c297.125,88.9) 295.625,88.9 ccw(c294.125,88.9) 294.125,90.4 293.15,90.4 292.025,90.4 ccw(c292.025,88.875) 290.5,88.875 cw(c289.025,88.875) 289.025,87.4 289,87.4 288.975,87.4 cw(c288.975,88.875) 287.5,88.875 ccw(c285.975,88.875) 285.975,90.4 285.05,90.4 283.9,90.4 ccw(c283.9,88.875) 282.375,88.875 cw(c280.925,88.875) 280.925,87.425 280.875,87.425 280.825,87.425 cw(c280.825,88.875) 279.375,88.875 ccw(c277.85,88.875) 277.85,90.4 276.9,90.4 275.8,90.4 ccw(c275.8,88.85) 274.25,88.85 cw(c272.825,88.85) 272.825,87.425 272.775,87.425 272.675,87.425 cw(c272.675,88.85) 271.25,88.85 ccw(c269.7,88.85) 269.7,90.4 268.75,90.4 267.625,90.4 ccw(c267.625,88.875) 266.1,88.875 cw(c264.625,88.875) 264.625,87.4 264.6,87.4 cw(c264.6,88.875) 263.125,88.875 ccw(c261.575,88.875) 261.575,90.425 260.675,90.425 259.55,90.425 ccw(c259.55,88.875) 258,88.875 cw(c256.525,88.875) 256.525,87.4 256.5,87.4 256.475,87.4 cw(c256.475,88.875) 255,88.875 ccw(c253.475,88.875) 253.475,90.4 252.5,90.4 251.375,90.4 ccw(c251.375,88.9) 249.875,88.9 cw(c248.375,88.9) 248.375,87.4 248.35,87.4 cw(c248.35,88.875) 246.875,88.875 ccw(c245.35,88.875) 245.35,90.4 244.4,90.4 243.225,90.4 ccw(c243.225,88.9) 241.725,88.9 241.725,88.875 cw(c240.25,88.875) 240.25,87.4 240.225,87.4 cw(c240.225,88.9) 238.725,88.9 ccw(c237.225,88.9) 237.225,90.4 236.25,90.4 235.075,90.4 ccw(c235.075,88.925) 233.6,88.925 233.6,88.9 cw(c232.1,88.9) 232.1,87.4 cw(c232.1,88.875) 230.625,88.875 230.625,88.9 ccw(c229.125,88.9) 229.125,90.4 228.15,90.4 227,90.4 ccw(c227,88.875) 225.475,88.875 cw(c224.025,88.875) 224.025,87.425 223.95,87.425 cw(c223.95,88.9) 222.475,88.9 ccw(c220.95,88.9) 220.95,90.425 219.975,90.425 218.9,90.425 ccw(c218.9,88.875) 217.35,88.875 cw(c215.875,88.875) 215.875,87.4 215.8,87.4 cw(c215.8,88.85) 214.35,88.85 214.35,88.925 ccw(c212.85,88.925) 212.85,90.425 211.875,90.425 210.875,90.425 ccw(c210.875,88.775) 209.225,88.775 cw(c207.875,88.775) 207.875,87.425 207.85,87.425 207.675,87.425 cw(c207.675,88.875) 206.225,88.875 ccw(c204.7,88.875) 204.7,90.4 203.725,90.4 202.625,90.4 ccw(c202.625,88.875) 201.1,88.875 cw(c199.625,88.875) 199.625,87.4 199.6,87.4
no net on Bottom Layer "Bottom Layer-No Net" (solid, pour order 1008): 298.612,88.825 cw(c301.137,88.825) 301.137,91.35 301.3,91.35 305.225,91.35 ccw(c305.225,93.125) 307,93.125 ccw(c305.053,93.125) 305.053,95.072 297.625,95.072 ccw(c297.625,94.247) 296.8,94.247 296.8,88.775 cw(c296.85,88.775) 296.85,88.825 298.612,88.825
no net on Bottom Layer "Bottom Layer-No Net" (solid, pour order 1007): 196.825,6.225 196.825,6.1 ccw(c199.275,6.1) 199.275,3.65 215.95,3.65 ccw(c215.95,5.925) 218.225,5.925 218.225,6.35 cw(c219.7,6.35) 219.7,7.825 cw(c219.7,6.325) 221.2,6.325 221.2,6.125 221.2,6.1 ccw(c223.65,6.1) 223.65,3.65 239.975,3.65 ccw(c239.975,6.075) 242.4,6.075 242.4,6.125 cw(c243.875,6.125) 243.875,7.6 cw(c243.875,6.075) 245.4,6.075 245.4,6.05 245.4,1.525 cw(c244.125,1.525) 244.125,0.25 195.175,0.25 cw(c195.175,1.825) 193.6,1.825 193.6,6.1 cw(c195.35,6.1) 195.35,7.85 cw(c195.35,6.375) 196.825,6.375 196.825,6.225

## Keep-outs
Keep-Out Layer:
  circle w0.1: c320.596,42.163 r1.55
  circle w0.1: c320.596,38.203 r1.55
  circle w0.1: c320.596,76.163 r1.55
  circle w0.1: c320.596,72.203 r1.55
  circle w0.1: c248.035,2 r1.55
  circle w0.1: c320.596,59.703 r1.55
  circle w0.1: c320.596,63.663 r1.55
  lines w0.254: 0,0 0,95.072 190.017,95.072 193,95.072 322.75,95.072 322.75,0 193,0 190.017,0 0,0

## Other copper
Top Layer:
  rectangle: 304.25,16.125 315.75,31
  rectangle net GND: 180.225,36.65 183.55,41.175
Bottom Layer:
  rectangle net GND: 180.2,36.65 183.55,41.175
  rectangle: 303.15,14.925 315.8,31.625
  rectangle: 314.5,21 316.596,31.1
  rectangle: 285.125,32.6 290.75,35.875
  rectangle: 296.516,9.368 298.8,13.025

## Silkscreen, mask and mechanical layers (free items; w line width, h text height)
Top Overlay:
  rectangle: 247.1,40 251,48.9
  region: 273.641,13.407 273.641,23.157 258.066,23.157 258.066,13.407
  rectangle: 250.75,40 260.5,58.325
  lines w0.1: 29.947,30.48 32.487,30.48 ; 32.487,27.94 32.487,30.48 ; 32.487,33.02 32.487,30.48 ; 35.027,30.48 32.487,30.48 ; 38.018,67.589 40.558,67.589 ; 38.018,75.209 40.558,75.209 ; 40.558,65.049 40.558,67.589 ; 40.558,70.129 40.558,67.589 ; 40.558,72.669 40.558,75.209 ; 40.558,77.749 40.558,75.209 ; 43.098,67.589 40.558,67.589 ; 43.098,75.209 40.558,75.209 ; 47.727,12.7 50.267,12.7 ; 47.727,30.48 50.267,30.48 ; 47.727,48.26 50.267,48.26 ; 50.267,10.16 50.267,12.7 ; 50.267,15.24 50.267,12.7 ; 50.267,27.94 50.267,30.48 ; 50.267,33.02 50.267,30.48 ; 50.267,45.72 50.267,48.26 ; 50.267,50.8 50.267,48.26 ; 52.807,12.7 50.267,12.7 ; 52.807,30.48 50.267,30.48 ; 52.807,48.26 50.267,48.26 ; 65.507,30.48 68.047,30.48 ; 68.047,27.94 68.047,30.48 ; 68.047,33.02 68.047,30.48 ; 70.587,30.48 68.047,30.48 ; 88.367,63.5 168.377,63.5 ; 88.367,78.74 168.377,78.74 ; 90.907,30.48 93.447,30.48 ; 93.447,27.94 93.447,30.48 ; 93.447,33.02 93.447,30.48 ; 95.987,30.48 93.447,30.48 ; 111.862,30.48 114.402,30.48 ; 114.402,27.94 114.402,30.48 ; 114.402,33.02 114.402,30.48 ; 116.942,30.48 114.402,30.48 ; 193,0 322.75,0 322.75,95.072 193,95.072 ; 87.097,62.23 87.097,80.01 169.647,80.01 169.647,62.23 87.097,62.23
  lines w0.2: 249.682,28.194 249.682,27.1 256.1,27.1 256.1,39.4 249.682,39.4 249.682,38.354
  lines w0.254: 190.017,0 190.017,95.072 ; 193,0 193,95.072
  lines w1: 190.017,0 0,0 0,95.072 190.017,95.072
  text "12v" at 298.4,85 h2
  text "9" at 227.6,83.4 h2
  text "7" at 244,83.4 h2
  text "6" at 252,83.4 h2
  text "5" at 260.1,83.4 h2
  text "4" at 268.4,83.4 h2
  text "COM" at 271.3,83.4 h2
  text "3" at 276.5,83.4 h2
  text "COM" at 279.4,83.4 h2
  text "2" at 284.6,83.4 h2
  text "COM" at 287.7,83.4 h2
  text "1" at 292.8,83.4 h2
  text "COM" at 295.7,83.4 h2
  text "COM" at 303.9,83.4 h2
  text "COM" at 263.2,83.358 h2
  text "13/D" at 193.4,83.3 h2
  text "COM" at 198.1,83.3 h2
  text "12/C" at 201.6,83.3 h2
  text "COM" at 206.3,83.3 h2
  text "11/B" at 209.8,83.3 h2
  text "COM" at 214.4,83.3 h2
  text "10/A" at 218,83.3 h2
  text "COM" at 222.6,83.3 h2
  text "COM" at 230.8,83.3 h2
  text "8" at 235.7,83.3 h2
  text "COM" at 238.9,83.3 h2
  text "COM" at 247,83.3 h2
  text "COM" at 255.1,83.3 h2
  text "1" at 262.8,80.3 h2 r90
  text "2" at 265.4,80.1 h2 r90
  text "3" at 267.9,80.1 h2 r90
  text "5" at 273,80.1 h2 r90
  text "6" at 275.6,80.1 h2 r90
  text "7" at 278.1,80.1 h2 r90
  text "8" at 280.6,80.1 h2 r90
  text "9" at 283.2,80.1 h2 r90
  text "B" at 288.2,80.1 h2 r90
  text "C" at 290.8,80.1 h2 r90
  text "D" at 293.3,80.1 h2 r90
  text "4" at 270.5,80 h2 r90
  text "A" at 285.7,80 h2 r90
  text "XD_ZCJ_DN001" at 261.7,26.5 h3
  text "1" at 200,10.2 h2 r90
  text "2" at 203.9,10.1 h2 r90
  text "3" at 207.9,10.1 h2 r90
  text "4" at 211.8,10.1 h2 r90
  text "5" at 216,10.1 h2 r90
  text "6" at 224.5,10.1 h2 r90
  text "7" at 228.5,10.1 h2 r90
  text "8" at 232.5,10.1 h2 r90
  text "9" at 236.3,10.1 h2 r90
  text "COM" at 218.4,10 h1.5
  text "COM" at 242.7,10 h1.5
  text "VCC" at 246.6,10 h1.5
  text "COM" at 194.1,9.9 h1.5
  text "XD_ZCJ_UP001" at 10.15,9.625 h3
  text "10" at 240.551,9.2 h2 r90
  text "1" at 277,6.8 h2 r90
  text "2" at 274.5,6.65 h2 r90
  text "10" at 252.7,6.6 h2
  text "9" at 255.6,6.6 h2
  text "8" at 258.1,6.6 h2
  text "7" at 260.7,6.6 h2
  text "6" at 263.2,6.6 h2
  text "5" at 265.7,6.6 h2
  text "4" at 268.2,6.6 h2
  text "3" at 270.8,6.6 h2
  text "GND" at 277.8,6.6 h1.5
  text "3.3" at 280.4,6.6 h1.5
  text "+5V" at 283,6.6 h1.5
  text "GND" at 308.7,4.4 h2.5
  text "+5V" at 308.7,1.5 h2.5
Bottom Overlay:
  lines w0.1: 0,0 190.017,0 190.017,95.072 0,95.072 0,0 ; 193,0 193,95.072 322.75,95.072 322.75,0 193,0
  text "13" at 194.592,86.3 h2.5 r180
  text "COM" at 197.9,86.3 h2.5 r180
  text "12" at 202.7,86.3 h2.5 r180
  text "COM" at 206.1,86.3 h2.5 r180
  text "11" at 211.1,86.3 h2.5 r180
  text "COM" at 214.2,86.3 h2.5 r180
  text "10" at 218.976,86.3 h2.5 r180
  text "COM" at 222.3,86.3 h2.5 r180
  text "9" at 227.7,86.3 h2.5 r180
  text "COM" at 230.4,86.3 h2.5 r180
  text "8" at 235.8,86.3 h2.5 r180
  text "COM" at 238.5,86.3 h2.5 r180
  text "7" at 243.8,86.3 h2.5 r180
  text "COM" at 246.7,86.3 h2.5 r180
  text "6" at 252,86.3 h2.5 r180
  text "COM" at 254.8,86.3 h2.5 r180
  text "5" at 260,86.3 h2.5 r180
  text "COM" at 262.9,86.3 h2.5 r180
  text "4" at 268.2,86.3 h2.5 r180
  text "COM" at 271.1,86.3 h2.5 r180
  text "3" at 276.4,86.3 h2.5 r180
  text "COM" at 279.2,86.3 h2.5 r180
  text "2" at 284.5,86.3 h2.5 r180
  text "COM" at 287.3,86.3 h2.5 r180
  text "1" at 292.9,86.3 h2.5 r180
  text "COM" at 295.4,86.3 h2.5 r180
  text "12V" at 299.6,86.3 h2.5 r180
  text "COM" at 303.7,86.3 h2.5 r180
  text "XD_ZCJ_DN001" at 279,26.5 h3
  text "XD_ZCJ_UP001" at 26.275,9.625 h3
  text "COM" at 221.2,8.7 h2
  text "6" at 224.2,8.7 h2
  text "7" at 228.2,8.7 h2
  text "8" at 232.1,8.7 h2
  text "9" at 236,8.7 h2
  text "10" at 240.5,8.7 h2
  text "COM" at 245.4,8.7 h2
  text "VCC" at 249.6,8.7 h2
  text "COM" at 196.8,8.6 h2
  text "5" at 215.6,8.6 h2
  text "1" at 199.5,8.5 h2
  text "2" at 203.7,8.5 h2
  text "3" at 207.7,8.5 h2
  text "4" at 211.8,8.5 h2
  text "GND" at 312.3,4.4 h2.5
  text "+5V" at 312.4,1.5 h2.5
Mechanical 1:
  circle w0.1: c320.596,76.163 r1.55
  circle w0.1: c320.596,72.203 r1.55
  circle w0.1: c320.596,63.663 r1.55
  circle w0.1: c320.596,59.703 r1.55
  circle w0.1: c320.596,42.163 r1.55
  circle w0.1: c320.596,38.203 r1.55
  circle w0.1: c248.035,2 r1.55

## Text inside footprints (layer, text, board x,y; h text height)
P8: Top Overlay "3" at 115.356,2.032 h1; Top Overlay "4" at 115.356,4.572 h1; Top Overlay "2" at 108.752,4.572 h1; Top Overlay "1" at 109.26,2.032 h1